# Allegro board PandaX_III_V3.brd (continued)
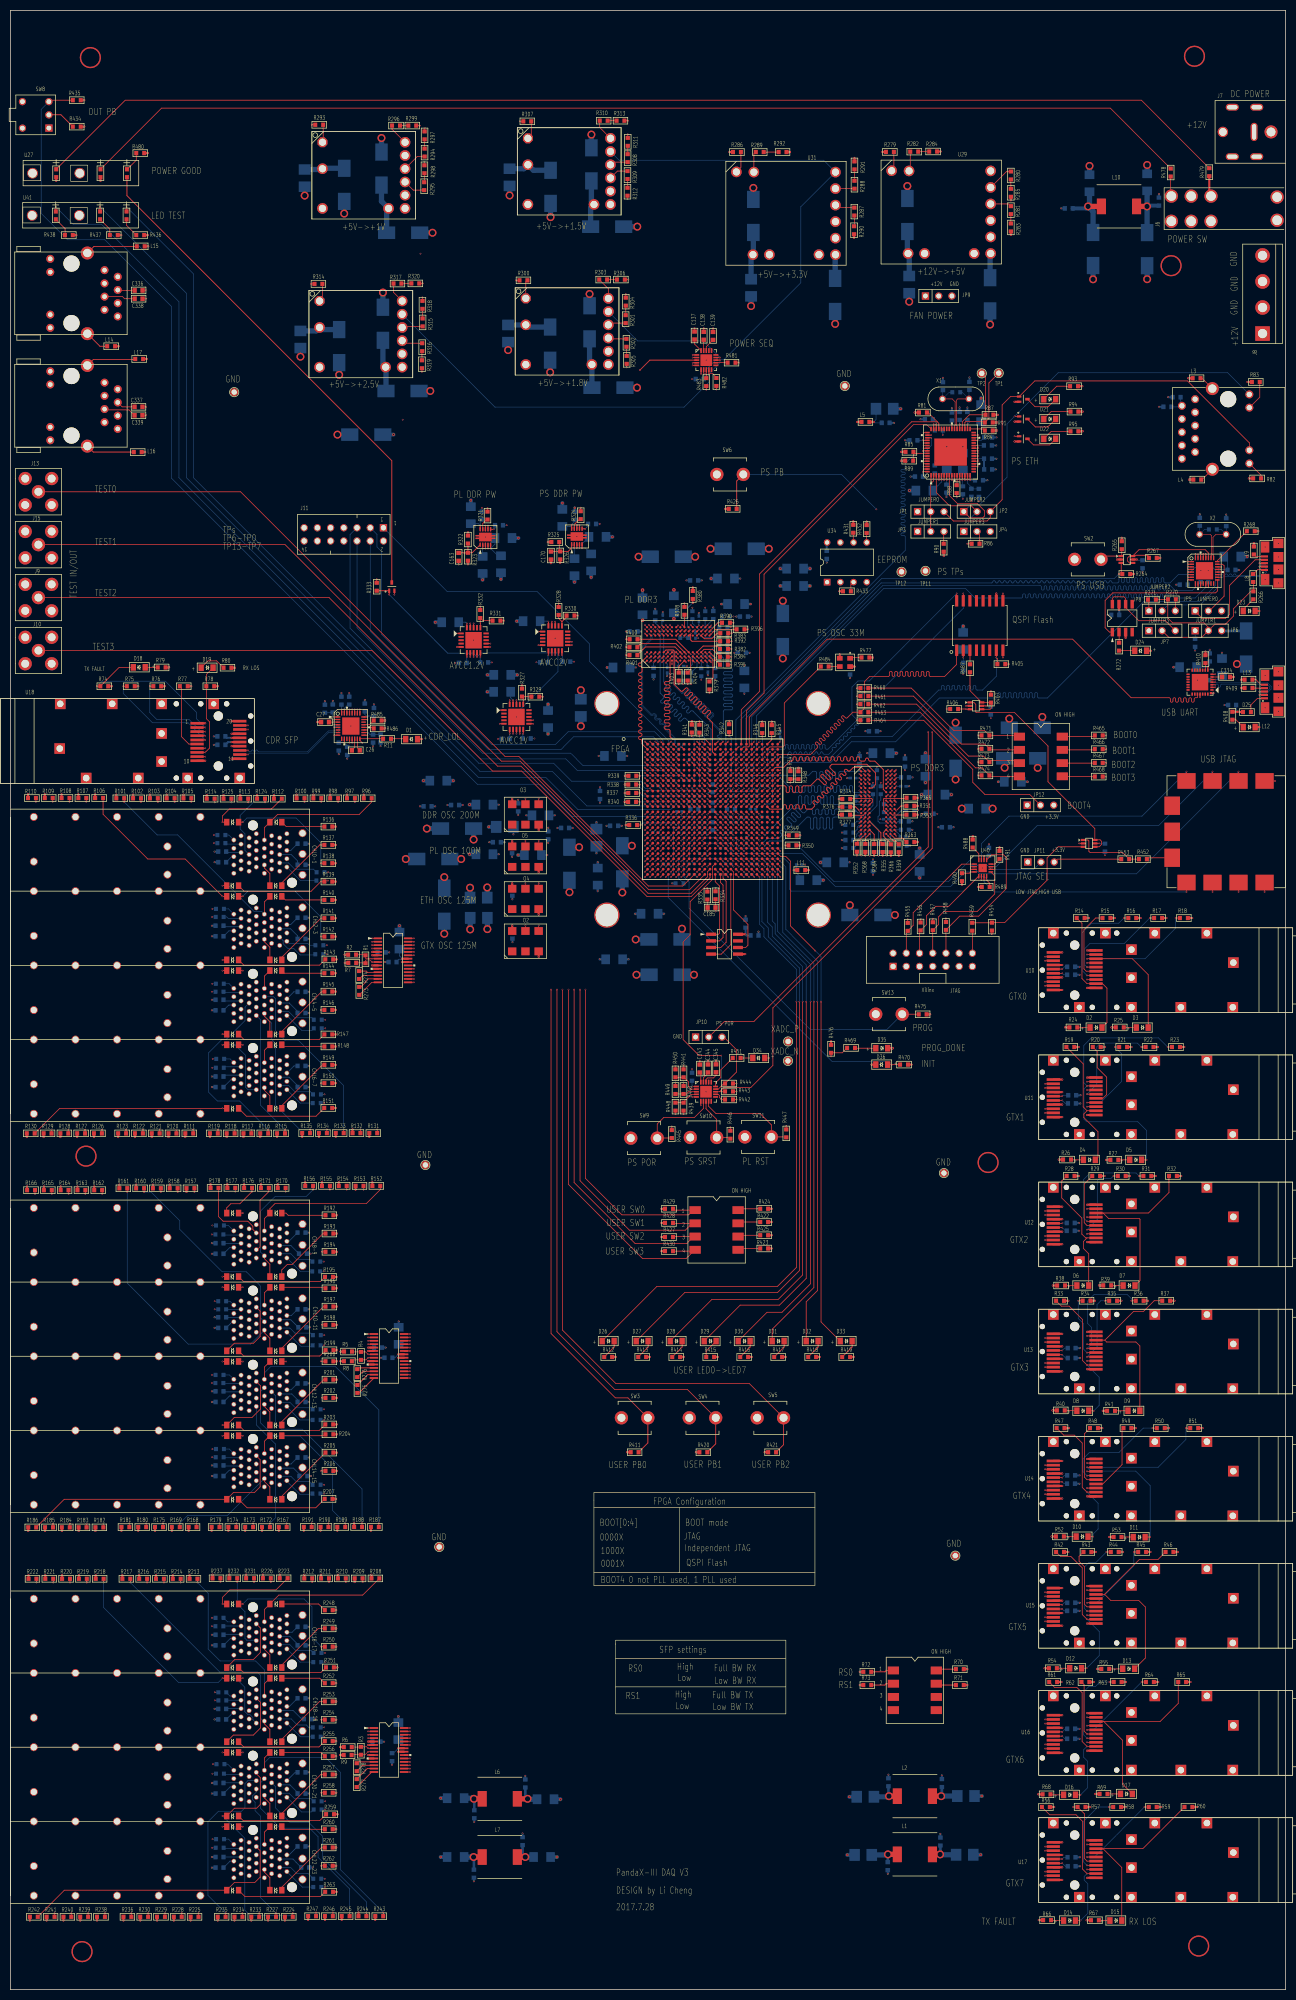
[diagram p0: board, top side]
## Routing (per net, layer and track width the routed paths; a pad name or vN(x,y) marks a point on that pad's centre or on a via; arc(x,y) is an arc through that point) (continued)
FEC_TX_FAULT15: length 48
  TOP w0.127: R182.2 v1(17.86,89.46) ; J4.4L22 v1(40.75,106.34)
  SIG2 w0.127: v1(40.75,106.34) 42.64,104.45 44.6,104.45 45.08,103.96 45.08,101.35 45.52,100.92 46.24,100.92 46.71,100.44 46.71,99.79 46.35,99.43 46.35,99.2 47.25,98.3 J4.4L2 47.25,96.96 42.54,92.25 37.72,92.25 36.19,90.73 19.13,90.73 v1(17.86,89.46)
FEC_TX_FAULT16: length 26.9
  TOP w0.127: R208.2 67.69,75.74 51.57,75.74 J5.1T22 48.8,72.98 J5.1T2
FEC_TX_FAULT17: length 30.1
  TOP w0.127: J5.1L22 v1(40.75,74.03) 40.75,75.32 42.16,76.73 51.03,76.73 R223.2
  SIG2 w0.127: J5.1L2 45.57,65.41 45.03,65.94 45.03,72.62 43.62,74.03 v1(40.75,74.03)
FEC_TX_FAULT18: length 35.7
  TOP w0.127: J5.2T22 48.8,58.73 J5.2T2 ; R213.2 v1(35.94,78.16)
  BOTTOM w0.127: J5.2T2 48.8,61.39 47.09,63.09 40.28,63.09 38,65.38 38,76.1 v1(35.94,78.16)
FEC_TX_FAULT19: length 48.5
  TOP w0.127: J5.2L22 v1(40.75,59.79) ; R218.2 v1(17.91,78.16)
  BOTTOM w0.127: J5.2L2 46.59,51.82 46.59,52.26 46,52.84 45.57,52.84 45.03,53.38 45.03,58.07 43.31,59.79 v1(40.75,59.79) 39.94,58.98 32.28,58.98 17.91,73.36 v1(17.91,78.16)
FEC_TX_FAULT20: length 52.5
  TOP w0.127: R243.2 v1(71.63,14.81) ; J5.3T22 48.8,44.47 J5.3T2
  BOTTOM w0.127: J5.3T2 48.8,43.54 49.78,44.53 60.58,44.53 63.45,41.66 63.45,22.99 v1(71.63,14.81)
FEC_TX_FAULT21: length 45.8
  TOP w0.127: R233.2 v1(47.8,14.68) ; J5.3L22 v1(40.75,45.53)
  SIG2 w0.127: J5.3L2 45.36,36.91 45.11,37.16 45.11,43.89 43.47,45.53 v1(40.75,45.53)
  SIG3 w0.127: J5.3L2 47.25,35.59 43.97,32.31 40.87,32.31 40.08,31.52 40.08,22.4 v1(47.8,14.68)
FEC_TX_FAULT22: length 31
  TOP w0.127: R228.2 v1(32.92,14.68) ; J5.4T22 48.8,30.22 J5.4T2
  SIG4 w0.127: v1(32.92,14.68) 34.75,16.51 46.08,16.51 48.01,18.44 48.01,27.07 J5.4T2
FEC_TX_FAULT23: length 48.5
  TOP w0.127: J5.4L22 v1(40.75,31.28) ; R238.2 v1(18.16,14.68)
  SIG1 w0.127: J5.4L2 47.25,21.32 42.27,16.33 19.81,16.33 v1(18.16,14.68)
  SIG3 w0.127: v1(40.75,31.28) 40.75,24.94 41.78,23.9 43.21,23.9 44.02,23.09 44.88,23.09 45.34,22.63 47.22,22.63 J5.4L2
FEC_TX_N0: length 41.6
  TOP w0.102: U2.4 v1(69.49,199.89)
  SIG1 w0.102: v1(69.49,199.89) 69.69,200.09 71.57,200.09 72.36,200.89 72.36,214.78 66.29,220.85 53.7,220.85 53.43,221.12 51.74,221.12
FEC_TX_N1: length 40.1
  TOP w0.102: U2.2 v1(69.49,201.19)
  SIG1 w0.102: v1(69.49,201.19) 69.69,201.39 70.72,201.39 70.97,201.64 70.97,208.11 70.72,208.36 59.92,208.36 57.31,210.97 47.83,210.97 45.75,213.05 arc(45.7,213.16) 45.75,213.27 arc(45.79,213.38) 45.75,213.49 45.68,213.56 arc(45.57,213.6) 45.46,213.56 arc(45.35,213.51) 45.25,213.56 45.17,213.63 arc(45.13,213.74) 45.17,213.84 arc(45.22,213.95) 45.17,214.06 45.1,214.13 arc(44.99,214.18) 44.89,214.13 arc(44.78,214.09) 44.67,214.13 44.07,214.73 44.07,214.88 J3.1L19
FEC_TX_N2: length 37.9
  TOP w0.102: U2.27 v1(77.53,201.19)
  SIG2 w0.102: v1(77.53,201.19) 77.7,201.37 78.76,201.37 80.31,202.92 80.31,205.49 77.22,208.59 69.21,208.59 67.38,206.76 54.05,206.76 53.93,206.87 51.74,206.87
FEC_TX_N3: length 50.4
  TOP w0.102: U2.25 v1(77.53,199.89)
  SIG2 w0.102: v1(77.53,199.89) 77.72,200.09 78.98,200.09 79.32,199.74 79.32,198.35 78.94,197.97 77.07,197.97 71.38,203.66 66.44,203.66 59.46,196.67 46.49,196.67 45.95,197.2 arc(45.9,197.35) 45.95,197.49 46.06,197.6 arc(46.06,197.88) 45.77,197.88 45.67,197.78 arc(45.38,197.78) 45.38,198.07 45.48,198.17 arc(45.48,198.46) 45.2,198.46 45.09,198.35 arc(44.81,198.35) 44.81,198.64 44.91,198.75 arc(44.91,199.03) 44.62,199.03 44.52,198.93 arc(44.37,198.87) 44.23,198.93 44.07,199.09 44.07,200.62 J3.2L19
FEC_TX_N4: length 38.8
  TOP w0.102: U2.23 v1(77.53,198.59)
  SIG3 w0.102: 51.74,192.62 54.21,192.62 54.71,193.12 54.71,193.93 57.27,196.5 62.3,196.5 63.8,197.99 64.54,197.99 69.77,203.23 77.9,203.23 79.6,201.52 79.6,199.9 78.49,198.79 77.72,198.79 v1(77.53,198.59)
FEC_TX_N5: length 52.5
  TOP w0.102: U2.19 v1(77.53,195.99)
  SIG2 w0.102: v1(77.53,195.99) 77.72,196.19 79.05,196.19 79.68,195.56 79.68,190.42 71.25,181.99 48.11,181.99 46.39,183.72 arc(46.33,183.86) 46.39,184.01 46.45,184.07 arc(46.45,184.36) 46.16,184.36 46.1,184.29 arc(45.81,184.29) 45.81,184.58 45.88,184.65 arc(45.88,184.93) 45.59,184.93 45.52,184.87 arc(45.24,184.87) 45.24,185.16 45.3,185.22 arc(45.3,185.51) 45.01,185.51 44.95,185.44 arc(44.8,185.38) 44.66,185.44 43.81,186.3 44.13,186.62 J3.3L19
FEC_TX_N6: length 40.2
  TOP w0.102: U2.17 v1(77.53,194.69)
  SIG3 w0.102: v1(77.53,194.69) 77.72,194.89 78.21,194.89 78.99,194.1 78.99,189.77 69.85,180.62 54.83,180.62 54.15,179.94 54.15,178.74 53.79,178.39 52.88,178.39 52.68,178.59 51.96,178.59 51.74,178.37
FEC_TX_N7: length 59.5
  TOP w0.102: U2.15 v1(77.53,193.39)
  SIG4 w0.102: v1(77.53,193.39) 77.82,193.39 78.02,193.59 78.21,193.59 78.99,192.8 78.99,184.13 63.17,168.3 44.4,168.3 44.09,168.61 44.09,169.79 arc(44.15,169.93) 44.3,169.99 44.65,169.99 arc(44.86,170.2) 44.65,170.4 44.3,170.4 arc(44.09,170.6) 44.3,170.81 44.65,170.81 arc(44.86,171.01) 44.65,171.21 44.3,171.21 arc(44.15,171.27) 44.09,171.41 44.09,172.15 J3.4L19
FEC_TX_N8: length 41.9
  TOP w0.102: U3.4 v1(68.73,123.92)
  SIG1 w0.102: v1(68.73,123.92) 68.93,124.12 71.97,124.12 72.26,124.41 72.26,137.29 65.48,144.07 57.1,144.07 55.11,146.07 53.56,146.07 53.56,146.07 51.74,146.07
FEC_TX_N9: length 40.7
  TOP w0.102: U3.2 v1(68.73,125.22)
  SIG1 w0.102: v1(68.73,125.22) 68.9,125.39 69.99,125.39 70.46,125.85 70.46,132.61 67.01,136.07 48.54,136.07 46.61,138 arc(46.55,138.15) 46.61,138.29 46.64,138.32 arc(46.64,138.6) 46.35,138.6 46.32,138.58 arc(46.18,138.52) 46.04,138.58 45.7,138.91 44.25,138.91 43.92,139.25 43.92,139.67 J4.1L19
FEC_TX_N10: length 33.7
  TOP w0.102: U3.27 v1(76.76,125.22)
  SIG2 w0.102: 51.74,131.82 54.4,131.82 54.56,131.65 59.43,131.65 59.74,131.95 75.09,131.95 78.16,128.88 78.16,125.91 77.66,125.41 76.96,125.41 v1(76.76,125.22)
FEC_TX_N11: length 48
  TOP w0.102: U3.25 v1(76.76,123.92)
  SIG2 w0.102: v1(76.76,123.92) 76.96,124.12 78.14,124.12 78.38,123.87 78.38,122.23 77.65,121.49 76.28,121.49 70.95,126.82 62.4,126.82 57.5,121.92 47.07,121.92 45.87,123.11 arc(45.81,123.26) 45.87,123.4 45.97,123.49 arc(45.97,123.78) 45.68,123.78 45.59,123.69 arc(45.3,123.69) 45.3,123.98 45.39,124.07 arc(45.39,124.36) 45.11,124.36 45.01,124.26 arc(44.72,124.26) 44.72,124.55 44.82,124.64 arc(44.82,124.93) 44.53,124.93 44.44,124.84 arc(44.29,124.78) 44.15,124.84 43.89,125.1 43.89,125.38 J4.2L19
FEC_TX_N12: length 33.3
  TOP w0.102: U3.23 v1(76.76,122.62)
  SIG1 w0.102: 51.74,117.57 54.58,117.57 56.21,115.93 71.4,115.93 73.38,117.91 73.38,119.49 75.54,121.64 77.34,121.64 77.98,122.28 77.98,122.65 77.82,122.82 76.96,122.82 v1(76.76,122.62)
FEC_TX_N13: length 48.6
  TOP w0.102: U3.19 v1(76.76,120.02)
  SIG1 w0.102: J4.3L19 43.89,111.13 43.89,110.88 44.2,110.56 arc(44.34,110.51) 44.49,110.56 44.71,110.79 arc(44.99,110.79) 44.99,110.5 44.77,110.28 arc(44.77,109.99) 45.06,109.99 45.28,110.21 arc(45.57,110.21) 45.57,109.92 45.35,109.7 arc(45.29,109.56) 45.35,109.42 47.09,107.67 62.97,107.67 64.16,108.87 69.24,108.87 78.69,118.32 78.69,120.11 78.59,120.21 76.96,120.21 v1(76.76,120.02)
FEC_TX_N14: length 37.8
  TOP w0.102: U3.17 v1(76.76,118.72)
  SIG2 w0.102: 51.74,103.32 53.91,103.32 54.08,103.15 61.16,103.15 61.85,103.84 66.93,103.84 78.21,115.12 78.21,118.67 77.96,118.91 76.96,118.91 v1(76.76,118.72)
FEC_TX_N15: length 55.3
  TOP w0.102: U3.15 v1(76.76,117.42)
  SIG3 w0.102: J4.4L19 43.89,96.88 43.89,96.44 44.12,96.21 44.12,95.98 arc(44.18,95.83) 44.32,95.77 45.16,95.77 arc(45.36,95.57) 45.16,95.37 44.32,95.37 arc(44.18,95.31) 44.12,95.16 44.12,94.7 45.76,93.05 59.42,93.05 77.85,111.49 77.85,117.29 77.53,117.62 76.96,117.62 v1(76.76,117.42)
FEC_TX_N16: length 44
  TOP w0.102: U19.4 v1(68.73,48.28)
  SIG1 w0.102: v1(68.73,48.28) 68.93,48.47 71.06,48.47 71.55,48.97 71.55,67.39 68.22,70.71 55.22,70.71 54.93,71.01 51.74,71.01
FEC_TX_N17: length 41
  TOP w0.102: U19.2 v1(68.73,49.57)
  SIG1 w0.102: J5.1L19 43.89,64.58 43.89,64.17 44.16,63.9 arc(44.3,63.84) 44.44,63.9 44.45,63.9 arc(44.73,63.9) 44.73,63.62 44.73,63.61 arc(44.67,63.47) 44.73,63.33 46.87,61.19 67.29,61.19 70.15,58.32 70.15,50.31 69.62,49.77 68.93,49.77 v1(68.73,49.57)
FEC_TX_N18: length 35
  TOP w0.102: U19.27 v1(76.76,49.57)
  SIG2 w0.102: 51.74,56.76 54.16,56.76 54.53,56.39 56.59,56.39 56.92,56.72 75.67,56.72 78.71,53.68 78.71,50.83 77.66,49.77 76.96,49.77 v1(76.76,49.57)
FEC_TX_N19: length 48.2
  TOP w0.102: U19.25 v1(76.76,48.28)
  SIG2 w0.102: v1(76.76,48.28) 76.96,48.47 78.47,48.47 78.64,48.31 78.64,46.77 78.18,46.31 76.28,46.31 71.48,51.11 63.93,51.11 59.76,46.94 46,46.94 45.25,47.7 arc(45.19,47.84) 45.25,47.98 45.45,48.19 arc(45.45,48.48) 45.17,48.48 44.96,48.27 arc(44.67,48.27) 44.67,48.56 44.88,48.76 arc(44.88,49.05) 44.59,49.05 44.39,48.85 arc(44.24,48.79) 44.1,48.85 43.89,49.06 43.89,50.33 J5.2L19
FEC_TX_N20: length 33.5
  TOP w0.102: U19.23 v1(76.76,46.98)
  SIG1 w0.102: 51.74,42.51 53.73,42.51 53.87,42.37 57.99,42.37 59.56,40.79 72.51,40.79 74.24,42.52 74.24,44.71 75.46,45.92 77.49,45.92 77.89,46.32 77.89,46.97 77.69,47.17 76.96,47.17 v1(76.76,46.98)
FEC_TX_N21: length 51.1
  TOP w0.102: U19.19 v1(76.76,44.37)
  SIG1 w0.102: v1(76.76,44.37) 76.96,44.57 77.65,44.57 77.75,44.47 77.75,37.27 72.23,31.75 53.21,31.75 50.88,34.09 46.97,34.09 arc(46.83,34.15) 46.77,34.29 46.77,34.44 arc(46.56,34.65) 46.36,34.44 46.36,34.29 arc(46.16,34.09) 45.95,34.29 45.95,34.44 arc(45.75,34.65) 45.55,34.44 45.55,34.29 arc(45.34,34.09) 45.14,34.29 45.14,34.44 arc(44.94,34.65) 44.74,34.44 44.74,34.29 arc(44.68,34.15) 44.53,34.09 44.3,34.09 44.02,34.37 44.02,36.21 J5.3L19
FEC_TX_N22: length 36.9
  TOP w0.102: U19.17 v1(76.76,43.07)
  SIG2 w0.102: v1(76.76,43.07) 76.96,43.27 78.14,43.27 78.39,43.02 78.39,41.16 65.96,28.73 57.71,28.73 57.05,28.07 53.85,28.07 53.66,28.26 51.74,28.26
FEC_TX_N23: length 54.1
  TOP w0.102: U19.15 v1(76.76,41.78)
  SIG3 w0.102: v1(76.76,41.78) 76.96,41.97 77.45,41.97 78.03,41.39 78.03,36.07 60.07,18.11 47.16,18.11 45.84,19.43 arc(45.78,19.57) 45.84,19.72 45.93,19.8 arc(45.93,20.09) 45.64,20.09 45.55,20 arc(45.27,20) 45.27,20.29 45.35,20.38 arc(45.35,20.66) 45.06,20.66 44.98,20.58 arc(44.69,20.58) 44.69,20.87 44.78,20.95 arc(44.78,21.24) 44.49,21.24 44.4,21.15 arc(44.26,21.09) 44.12,21.15 43.89,21.38 43.89,21.83 J5.4L19
FEC_TX_P0: length 41.5
  TOP w0.102: U2.3 v1(69.49,200.54)
  SIG1 w0.102: J3.1T18 53.4,220.6 54.02,220.6 arc(54.17,220.54) 54.22,220.4 54.22,220.27 arc(54.43,220.07) 54.63,220.27 54.63,220.4 arc(54.83,220.6) 55.04,220.4 55.04,220.27 arc(55.24,220.07) 55.44,220.27 55.44,220.4 arc(55.5,220.54) 55.65,220.6 66.19,220.6 72.11,214.68 72.11,200.99 71.46,200.34 70.73,200.34 arc(70.59,200.4) 70.53,200.54 70.53,200.69 arc(70.32,200.89) 70.12,200.69 70.12,200.54 arc(70.06,200.4) 69.92,200.34 69.69,200.34 v1(69.49,200.54)
FEC_TX_P1: length 40
  TOP w0.102: U2.1 v1(69.49,201.84)
  SIG1 w0.102: v1(69.49,201.84) 69.69,201.64 70.61,201.64 70.71,201.74 70.71,208 70.61,208.1 59.82,208.1 57.2,210.72 47.72,210.72 43.82,214.63 43.82,214.63 43.61,214.83 43.61,215.24 J3.1L18
FEC_TX_P2: length 37.8
  TOP w0.102: U2.28 v1(77.53,201.84)
  SIG2 w0.102: v1(77.53,201.84) 77.74,201.62 78.66,201.62 80.06,203.02 80.06,205.39 77.11,208.33 69.32,208.33 67.49,206.5 56.59,206.5 arc(56.45,206.44) 56.39,206.3 56.39,206.2 arc(56.19,206) 55.98,206.2 55.98,206.3 arc(55.78,206.5) 55.58,206.3 55.58,206.2 arc(55.38,206) 55.17,206.2 55.17,206.3 arc(54.97,206.5) 54.77,206.3 54.77,206.2 arc(54.56,206) 54.36,206.2 54.36,206.3 arc(54.3,206.44) 54.16,206.5 53.55,206.5 J3.2T18
FEC_TX_P3: length 50.4
  TOP w0.102: U2.26 v1(77.53,200.54)
  SIG2 w0.102: v1(77.53,200.54) 77.72,200.34 79.09,200.34 79.58,199.85 79.58,198.25 79.04,197.71 76.96,197.71 71.27,203.4 66.55,203.4 59.56,196.42 46.38,196.42 43.81,198.98 43.81,200.38 43.61,200.58 43.61,200.99 J3.2L18
FEC_TX_P4: length 38.7
  TOP w0.102: U2.24 v1(77.53,199.24)
  SIG3 w0.102: J3.3T18 53.04,191.91 53.04,192.37 54.32,192.37 54.97,193.02 54.97,193.83 56.01,194.87 arc(56.15,194.93) 56.3,194.87 56.39,194.78 arc(56.68,194.78) 56.68,195.07 56.58,195.16 arc(56.58,195.45) 56.87,195.45 56.97,195.35 arc(57.25,195.35) 57.25,195.64 57.16,195.74 arc(57.1,195.88) 57.16,196.02 57.38,196.24 62.41,196.24 63.91,197.74 64.65,197.74 69.88,202.97 77.8,202.97 79.35,201.42 79.35,200 78.39,199.04 77.72,199.04 v1(77.53,199.24)
FEC_TX_P5: length 52.5
  TOP w0.102: U2.20 v1(77.53,196.64)
  SIG2 w0.102: J3.3L18 43.15,186.59 48.01,181.74 71.35,181.74 79.93,190.32 79.93,195.66 79.16,196.44 77.72,196.44 v1(77.53,196.64)
FEC_TX_P6: length 40.1
  TOP w0.102: U2.18 v1(77.53,195.34)
  SIG3 w0.102: J3.4T18 52.98,177.71 52.98,178.03 53.09,178.13 53.9,178.13 54.41,178.64 54.41,179.83 54.94,180.37 69.95,180.37 79.25,189.66 79.25,194.21 78.32,195.14 77.72,195.14 v1(77.53,195.34)
FEC_TX_P7: length 59.5
  TOP w0.102: U2.16 v1(77.53,194.04)
  SIG4 w0.102: J3.4L18 43.43,172.67 43.43,172.07 43.63,171.86 43.63,171.76 43.84,171.55 43.84,168.5 44.3,168.05 63.28,168.05 79.25,184.02 79.25,192.91 78.32,193.84 78.02,193.84 77.82,194.04 v1(77.53,194.04)
FEC_TX_P8: length 41.9
  TOP w0.102: U3.3 v1(68.73,124.57)
  SIG1 w0.102: v1(68.73,124.57) 68.93,124.37 71.87,124.37 72.01,124.51 72.01,137.19 65.38,143.82 57,143.82 55,145.81 54.71,145.81 arc(54.56,145.75) 54.5,145.61 54.5,144.83 arc(54.3,144.63) 54.1,144.83 54.1,145.61 arc(54.04,145.75) 53.89,145.81 53.67,145.81 J4.1T18
FEC_TX_P9: length 40.7
  TOP w0.102: U3.1 v1(68.73,125.87)
  SIG1 w0.102: J4.1L18 43.43,140.37 43.43,139.76 43.66,139.53 43.66,139.14 44.15,138.66 45.59,138.66 48.44,135.81 66.9,135.81 70.21,132.51 70.21,125.96 69.89,125.64 68.95,125.64 v1(68.73,125.87)
FEC_TX_P10: length 33.6
  TOP w0.102: U3.28 v1(76.76,125.87)
  SIG2 w0.102: J4.2T18 53.67,131.56 54.29,131.56 54.46,131.4 54.69,131.4 arc(54.83,131.34) 54.89,131.19 54.89,130.94 arc(55.09,130.73) 55.3,130.94 55.3,131.19 arc(55.5,131.4) 55.7,131.19 55.7,130.94 arc(55.91,130.73) 56.11,130.94 56.11,131.19 arc(56.17,131.34) 56.31,131.4 59.54,131.4 59.84,131.7 74.98,131.7 77.9,128.78 77.9,126.02 77.55,125.67 76.96,125.67 v1(76.76,125.87)
FEC_TX_P11: length 47.9
  TOP w0.102: U3.26 v1(76.76,124.57)
  SIG2 w0.102: J4.2L18 43.13,125.86 43.63,125.36 43.63,125 46.96,121.67 57.61,121.67 62.51,126.57 70.84,126.57 76.17,121.24 77.75,121.24 78.64,122.12 78.64,123.98 78.25,124.37 76.96,124.37 v1(76.76,124.57)
FEC_TX_P12: length 33.3
  TOP w0.102: U3.24 v1(76.76,123.27)
  SIG1 w0.102: v1(76.76,123.27) 76.96,123.07 77.92,123.07 78.23,122.76 78.23,122.18 77.44,121.39 75.64,121.39 73.63,119.38 73.63,117.81 71.5,115.67 56.11,115.67 55.1,116.68 arc(55.01,116.72) 54.92,116.68 arc(54.83,116.65) 54.74,116.68 54.63,116.79 arc(54.6,116.88) 54.63,116.97 arc(54.67,117.06) 54.63,117.15 54.47,117.31 54.01,117.31 53.47,116.76 53.12,116.76
FEC_TX_P13: length 48.6
  TOP w0.102: U3.20 v1(76.76,120.67)
  SIG1 w0.102: J4.3L18 42.93,111.96 43.63,111.26 43.63,110.77 46.99,107.42 63.07,107.42 64.27,108.61 69.35,108.61 78.95,118.21 78.95,120.22 78.7,120.47 76.96,120.47 v1(76.76,120.67)
FEC_TX_P14: length 37.8
  TOP w0.102: U3.18 v1(76.76,119.37)
  SIG2 w0.102: v1(76.76,119.37) 76.96,119.17 78.06,119.17 78.46,118.77 78.46,115.01 67.03,103.58 61.95,103.58 61.26,102.9 55.12,102.9 arc(54.97,102.84) 54.91,102.69 arc(54.71,102.49) 54.51,102.69 arc(54.45,102.84) 54.31,102.9 54.08,102.9 53.7,102.52 J4.4T18
FEC_TX_P15: length 55.3
  TOP w0.102: U3.16 v1(76.76,118.07)
  SIG3 w0.102: v1(76.76,118.07) 76.96,117.87 77.64,117.87 78.1,117.4 78.1,111.38 59.52,92.8 45.66,92.8 43.87,94.59 43.87,96.1 43.63,96.33 43.63,96.86 43.13,97.36 J4.4L18
FEC_TX_P16: length 44
  TOP w0.102: U19.3 v1(68.73,48.93)
  SIG1 w0.102: J5.1T18 54,70.21 54.55,70.76 54.82,70.76 55.12,70.46 55.35,70.46 arc(55.49,70.4) 55.55,70.26 55.55,70.05 arc(55.75,69.85) 55.96,70.05 55.96,70.26 arc(56.02,70.4) 56.16,70.46 68.12,70.46 71.3,67.28 71.3,49.07 70.95,48.73 70.53,48.73 arc(70.38,48.79) 70.32,48.93 70.32,49.28 arc(70.12,49.48) 69.92,49.28 69.92,48.93 arc(69.86,48.79) 69.71,48.73 68.93,48.73 v1(68.73,48.93)
FEC_TX_P17: length 41.1
  TOP w0.102: U19.1 v1(68.73,50.22)
  SIG1 w0.102: J5.1L18 42.86,65.69 43,65.19 43.63,64.55 43.63,64.07 46.76,60.94 67.18,60.94 69.9,58.22 69.9,50.41 69.52,50.03 68.93,50.03 v1(68.73,50.22)
FEC_TX_P18: length 35
  TOP w0.102: U19.28 v1(76.76,50.22)
  SIG2 w0.102: v1(76.76,50.22) 76.96,50.03 77.55,50.03 78.46,50.93 78.46,53.57 75.56,56.47 57.02,56.47 56.69,56.14 56.39,56.14 arc(56.24,56.08) 56.18,55.93 56.18,55.58 arc(55.98,55.37) 55.78,55.58 55.78,55.93 arc(55.58,56.14) 55.37,55.93 55.37,55.58 arc(55.17,55.37) 54.97,55.58 54.97,55.93 arc(54.91,56.08) 54.76,56.14 54.53,56.14 54.36,55.96 J5.2T18
FEC_TX_P19: length 48.2
  TOP w0.102: U19.26 v1(76.76,48.93)
  SIG2 w0.102: J5.2L18 43.13,50.8 43.63,50.3 43.63,48.95 45.9,46.69 59.87,46.69 64.03,50.85 71.37,50.85 76.17,46.05 78.28,46.05 78.89,46.66 78.89,48.41 78.58,48.73 76.96,48.73 v1(76.76,48.93)
FEC_TX_P20: length 33.5
  TOP w0.102: U19.24 v1(76.76,47.63)
  SIG1 w0.102: J5.3T18 53.52,41.71 53.92,42.11 54.15,42.11 arc(54.29,42.06) 54.34,41.92 arc(54.4,41.79) 54.53,41.73 54.56,41.73 arc(54.69,41.79) 54.75,41.92 arc(54.81,42.06) 54.94,42.11 57.88,42.11 59.46,40.54 72.62,40.54 74.5,42.42 74.5,44.6 75.56,45.67 77.6,45.67 78.14,46.22 78.14,47.08 77.8,47.43 76.96,47.43 v1(76.76,47.63)
FEC_TX_P21: length 51.1
  TOP w0.102: U19.20 v1(76.76,45.03)
  SIG1 w0.102: J5.3L18 43.43,36.81 43.43,36.2 43.76,35.87 43.76,34.27 44.2,33.83 50.77,33.83 53.11,31.5 72.34,31.5 78,37.16 78,44.58 77.75,44.83 76.96,44.83 v1(76.76,45.03)
FEC_TX_P22: length 36.9
  TOP w0.102: U19.18 v1(76.76,43.72)
  SIG2 w0.102: v1(76.76,43.72) 76.96,43.53 78.25,43.53 78.64,43.13 78.64,41.05 66.07,28.47 57.82,28.47 57.16,27.81 54.89,27.81 arc(54.75,27.75) 54.69,27.61 arc(54.49,27.41) 54.28,27.61 arc(54.22,27.75) 54.08,27.81 53.85,27.81 53.49,27.46 J5.4T18
FEC_TX_P23: length 54.1
  TOP w0.102: U19.16 v1(76.76,42.43)
  SIG3 w0.102: v1(76.76,42.43) 76.96,42.23 77.55,42.23 78.28,41.5 78.28,35.96 60.18,17.86 47.05,17.86 43.63,21.28 43.63,21.8 43.13,22.3 J5.4L18
FEC_VCCR: length 102.7
  TOP w0.381: U18.15 v1(42.49,239.52)
  TOP w1.016: L7.2 v3(89,25.45)
  BOTTOM w0.152: J4.1L15 40.99,143.26 C99.2 ; 51.74,128.62 53.86,128.62 C97.2 ; C85.2 41.51,53.96 J5.2L15 ; C82.2 40.95,25.46 J5.4L15 ; C91.2 55.17,113.26 54.06,114.37 51.74,114.37 ; 51.74,67.81 53.71,67.81 55.17,66.35 C75.2 ; 51.74,25.06 54.29,25.06 54.91,24.44 54.91,24.41 C73.2 ; 51.74,100.12 54.39,100.12 55.52,98.98 C103.2 ; J3.3L15 41.17,189.82 C109.2 ; C87.2 55.96,51.94 54.34,53.56 51.74,53.56 ; J3.1L15 41.62,218.32 C113.2 ; C93.2 41.04,114.77 J4.3L15 ; C95.2 41.06,100.52 J4.4L15 ; J4.2L15 41.52,129.02 C101.2 ; 51.74,142.87 53.88,142.87 C89.2 ; C111.2 41.21,175.57 J3.4L15 ; C80.2 41.03,68.21 J5.1L15 ; C117.2 41.14,204.07 J3.2L15 ; C107.2 55.17,187.81 53.55,189.42 51.74,189.42 ; C105.2 55.17,216.71 53.96,217.92 51.74,217.92 ; 51.74,203.67 53.83,203.67 55.17,202.34 C119.2 ; J5.3L15 40.98,39.71 C77.2 ; 51.74,39.31 53.71,39.31 55.17,37.85 C79.2 ; 51.74,175.17 53.56,175.17 55.17,173.56 C115.2
  BOTTOM w0.381: C481.1 41.83,239.52 v1(42.49,239.52)
  BOTTOM w0.508: v3(89,25.45) 89.05,25.4 C502.2
  BOTTOM w1.016: C72.1 v3(89,25.45)
FEC_VCCT: length 68.3
  TOP w0.381: U18.16 v1(42.49,240.34)
  TOP w1.016: L6.2 v3(89.05,36.63)
  BOTTOM w0.152: C116.2 54.49,177.34 J3.4T16 ; C102.2 42.62,128.22 J4.2L16 ; J5.3L16 42.21,38.91 C78.2 ; C112.2 42.44,174.77 J3.4L16 ; C94.2 42.08,113.97 J4.3L16 ; J5.1T16 54.13,68.61 C76.2 ; J4.4L16 42.06,99.72 C96.2 ; C108.2 54.47,191.57 J3.3T16 ; J4.1T16 53.49,143.67 C90.2 ; C110.2 41.96,189.02 J3.3L16 ; C83.2 42.18,24.66 J5.4L16 ; C106.2 53.88,218.72 J3.1T16 ; C104.2 53.95,115.16 J4.3T16 ; J4.2T16 53.98,129.42 C98.2 ; C86.2 42.74,53.16 J5.2L16 ; J5.4T16 53.54,25.86 C74.2 ; C88.2 53.6,54.36 J5.2T16 ; J5.3T16 54.72,41.71 C84.2 ; C81.2 42.26,67.41 J5.1L16 ; C114.2 42.52,217.52 J3.1L16 ; J3.2T16 53.85,204.47 C120.2 ; C100.2 42.14,142.47 J4.1L16 ; J4.4T16 53.92,100.92 C92.2 ; C118.2 41.98,203.27 J3.2L16
  BOTTOM w0.381: C482.1 41.58,240.34 v1(42.49,240.34)
  BOTTOM w0.508: v3(89.05,36.63) 89.13,36.55 C501.2
  BOTTOM w1.016: v3(89.05,36.63) 88.93,36.75 C71.1
FLASH_CB_B: length 69.4
  TOP w0.102: U1.D26 v1(147.93,236.62)
  TOP w0.127: R405.1 189.64,255.55 v1(189.43,255.75) U37.7
  BOTTOM w0.127: v1(147.93,236.62) 149.72,236.62 arc(149.9,236.55) 149.98,236.37 149.98,236.27 arc(150.23,236.02) 150.48,236.27 150.48,236.37 arc(150.74,236.62) 150.99,236.37 150.99,236.27 arc(151.25,236.02) 151.5,236.27 151.5,236.37 arc(151.75,236.62) 152.01,236.37 152.01,236.27 arc(152.26,236.02) 152.52,236.27 152.52,236.37 arc(152.77,236.62) 153.02,236.37 153.02,236.27 arc(153.28,236.02) 153.53,236.27 153.53,236.37 arc(153.79,236.62) 154.04,236.37 154.04,236.27 arc(154.29,236.02) 154.55,236.27 154.55,236.37 arc(154.8,236.62) 155.06,236.37 155.06,236.27 arc(155.31,236.02) 155.56,236.27 155.56,236.37 arc(155.64,236.55) 155.82,236.62 157.6,236.62 161.54,240.56 169.42,240.56 178.36,249.51 178.64,249.51 arc(178.82,249.58) 178.9,249.76 178.9,250.17 arc(179.15,250.42) 179.4,250.17 179.4,249.76 arc(179.66,249.51) 179.91,249.76 179.91,250.17 arc(180.17,250.42) 180.42,250.17 180.42,249.76 arc(180.67,249.51) 180.93,249.76 180.93,250.17 arc(181.18,250.42) 181.44,250.17 181.44,249.76 arc(181.69,249.51) 181.94,249.76 181.94,250.17 arc(182.2,250.42) 182.45,250.17 182.45,249.76 arc(182.71,249.51) 182.96,249.76 182.96,250.17 arc(183.21,250.42) 183.47,250.17 183.47,249.76 arc(183.72,249.51) 183.98,249.76 183.98,250.17 arc(184.23,250.42) 184.48,250.17 184.48,249.76 arc(184.74,249.51) 184.99,249.76 184.99,250.17 arc(185.25,250.42) 185.5,250.17 185.5,249.76 arc(185.57,249.58) 185.75,249.51 186.79,249.51 189.43,252.15 v1(189.43,255.75)
FLASH_CLK: length 71.7
  TOP w0.102: U1.F23 v1(144.93,234.62)
  TOP w0.127: U37.16 v1(181.81,268.05) ; R464.2 v1(162.64,243.71)
  BOTTOM w0.127: v1(144.93,234.62) 144.96,234.62 145.49,235.15 145.49,237.82 145.82,238.15 148.66,238.15 arc(148.84,238.23) 148.91,238.41 148.91,238.84 arc(149.17,239.09) 149.42,238.84 149.42,238.41 arc(149.67,238.15) 149.93,238.41 149.93,238.84 arc(150.18,239.09) 150.44,238.84 150.44,238.41 arc(150.69,238.15) 150.94,238.41 150.94,238.84 arc(151.2,239.09) 151.45,238.84 151.45,238.41 arc(151.71,238.15) 151.96,238.41 151.96,238.84 arc(152.21,239.09) 152.47,238.84 152.47,238.41 arc(152.72,238.15) 152.98,238.41 152.98,238.84 arc(153.23,239.09) 153.48,238.84 153.48,238.41 arc(153.74,238.15) 153.99,238.41 153.99,238.84 arc(154.25,239.09) 154.5,238.84 154.5,238.41 arc(154.75,238.15) 155.01,238.41 155.01,238.84 arc(155.26,239.09) 155.52,238.84 155.52,238.41 arc(155.77,238.15) 156.02,238.41 156.02,238.84 arc(156.28,239.09) 156.53,238.84 156.53,238.41 arc(156.61,238.23) 156.79,238.15 157.07,238.15 v1(162.64,243.71) 162.64,243.84 161.7,244.78 161.7,250.09 162.86,251.26 165.02,251.26 v1(181.81,268.05)
FLASH_DQ0: length 66.6
  TOP w0.102: U1.E25 v1(146.93,235.62)
  TOP w0.127: R460.2 v1(162.64,249.89) ; U37.15 v1(183.08,268.05)
  BOTTOM w0.127: v1(183.08,268.05) 183.08,265.2 167.77,249.89 v1(162.64,249.89) 163.8,248.72 163.8,243.74 162.86,242.8 arc(162.73,242.74) 162.59,242.8 arc(162.45,242.85) 162.31,242.8 162.23,242.71 arc(162.17,242.58) 162.23,242.44 arc(162.29,242.3) 162.23,242.16 162.14,242.08 arc(162.01,242.02) 161.87,242.08 arc(161.73,242.14) 161.59,242.08 161.51,241.99 arc(161.45,241.86) 161.51,241.72 161.51,241.72 arc(161.57,241.58) 161.51,241.44 161.43,241.36 arc(161.29,241.3) 161.15,241.36 arc(161.01,241.42) 160.88,241.36 160.79,241.28 arc(160.73,241.14) 160.79,241 arc(160.85,240.86) 160.79,240.73 160.71,240.64 arc(160.57,240.59) 160.43,240.64 arc(160.29,240.7) 160.16,240.64 160.07,240.56 arc(160.02,240.42) 160.07,240.28 arc(160.13,240.15) 160.07,240.01 159.99,239.92 arc(159.85,239.87) 159.71,239.92 arc(159.58,239.98) 159.44,239.92 159.35,239.84 arc(159.3,239.7) 159.35,239.56 arc(159.41,239.43) 159.35,239.29 159.27,239.21 arc(159.13,239.15) 159,239.21 arc(158.86,239.26) 158.72,239.21 158.64,239.12 arc(158.58,238.98) 158.64,238.85 arc(158.69,238.71) 158.64,238.57 158.55,238.49 arc(158.41,238.43) 158.28,238.49 arc(158.14,238.54) 158,238.49 157.92,238.4 arc(157.86,238.27) 157.92,238.13 arc(157.97,237.99) 157.92,237.85 157.25,237.19 156.35,237.19 arc(156.19,237.25) 156.12,237.41 arc(156.05,237.58) 155.89,237.64 155.84,237.64 arc(155.68,237.58) 155.61,237.41 arc(155.54,237.25) 155.38,237.19 155.33,237.19 arc(155.17,237.25) 155.1,237.41 arc(155.04,237.58) 154.87,237.64 154.82,237.64 arc(154.66,237.58) 154.6,237.41 arc(154.53,237.25) 154.37,237.19 154.32,237.19 arc(154.15,237.25) 154.09,237.41 arc(154.02,237.58) 153.86,237.64 153.81,237.64 arc(153.65,237.58) 153.58,237.41 arc(153.51,237.25) 153.35,237.19 153.3,237.19 arc(153.14,237.25) 153.07,237.41 arc(153,237.58) 152.84,237.64 152.79,237.64 arc(152.63,237.58) 152.56,237.41 arc(152.5,237.25) 152.33,237.19 152.28,237.19 arc(152.12,237.25) 152.06,237.41 arc(151.99,237.58) 151.83,237.64 151.78,237.64 arc(151.61,237.58) 151.55,237.41 arc(151.48,237.25) 151.32,237.19 151.27,237.19 arc(151.11,237.25) 151.04,237.41 arc(150.97,237.58) 150.81,237.64 150.76,237.64 arc(150.6,237.58) 150.53,237.41 arc(150.46,237.25) 150.3,237.19 150.25,237.19 arc(150.09,237.25) 150.02,237.41 arc(149.96,237.58) 149.79,237.64 149.74,237.64 arc(149.58,237.58) 149.52,237.41 arc(149.45,237.25) 149.29,237.19 147.57,237.19 147.37,236.98 147.37,236.2 146.93,235.75 v1(146.93,235.62)
